# Altium PCB TempdevAmmy1009.PcbDoc (part 4 of 4) (continued)
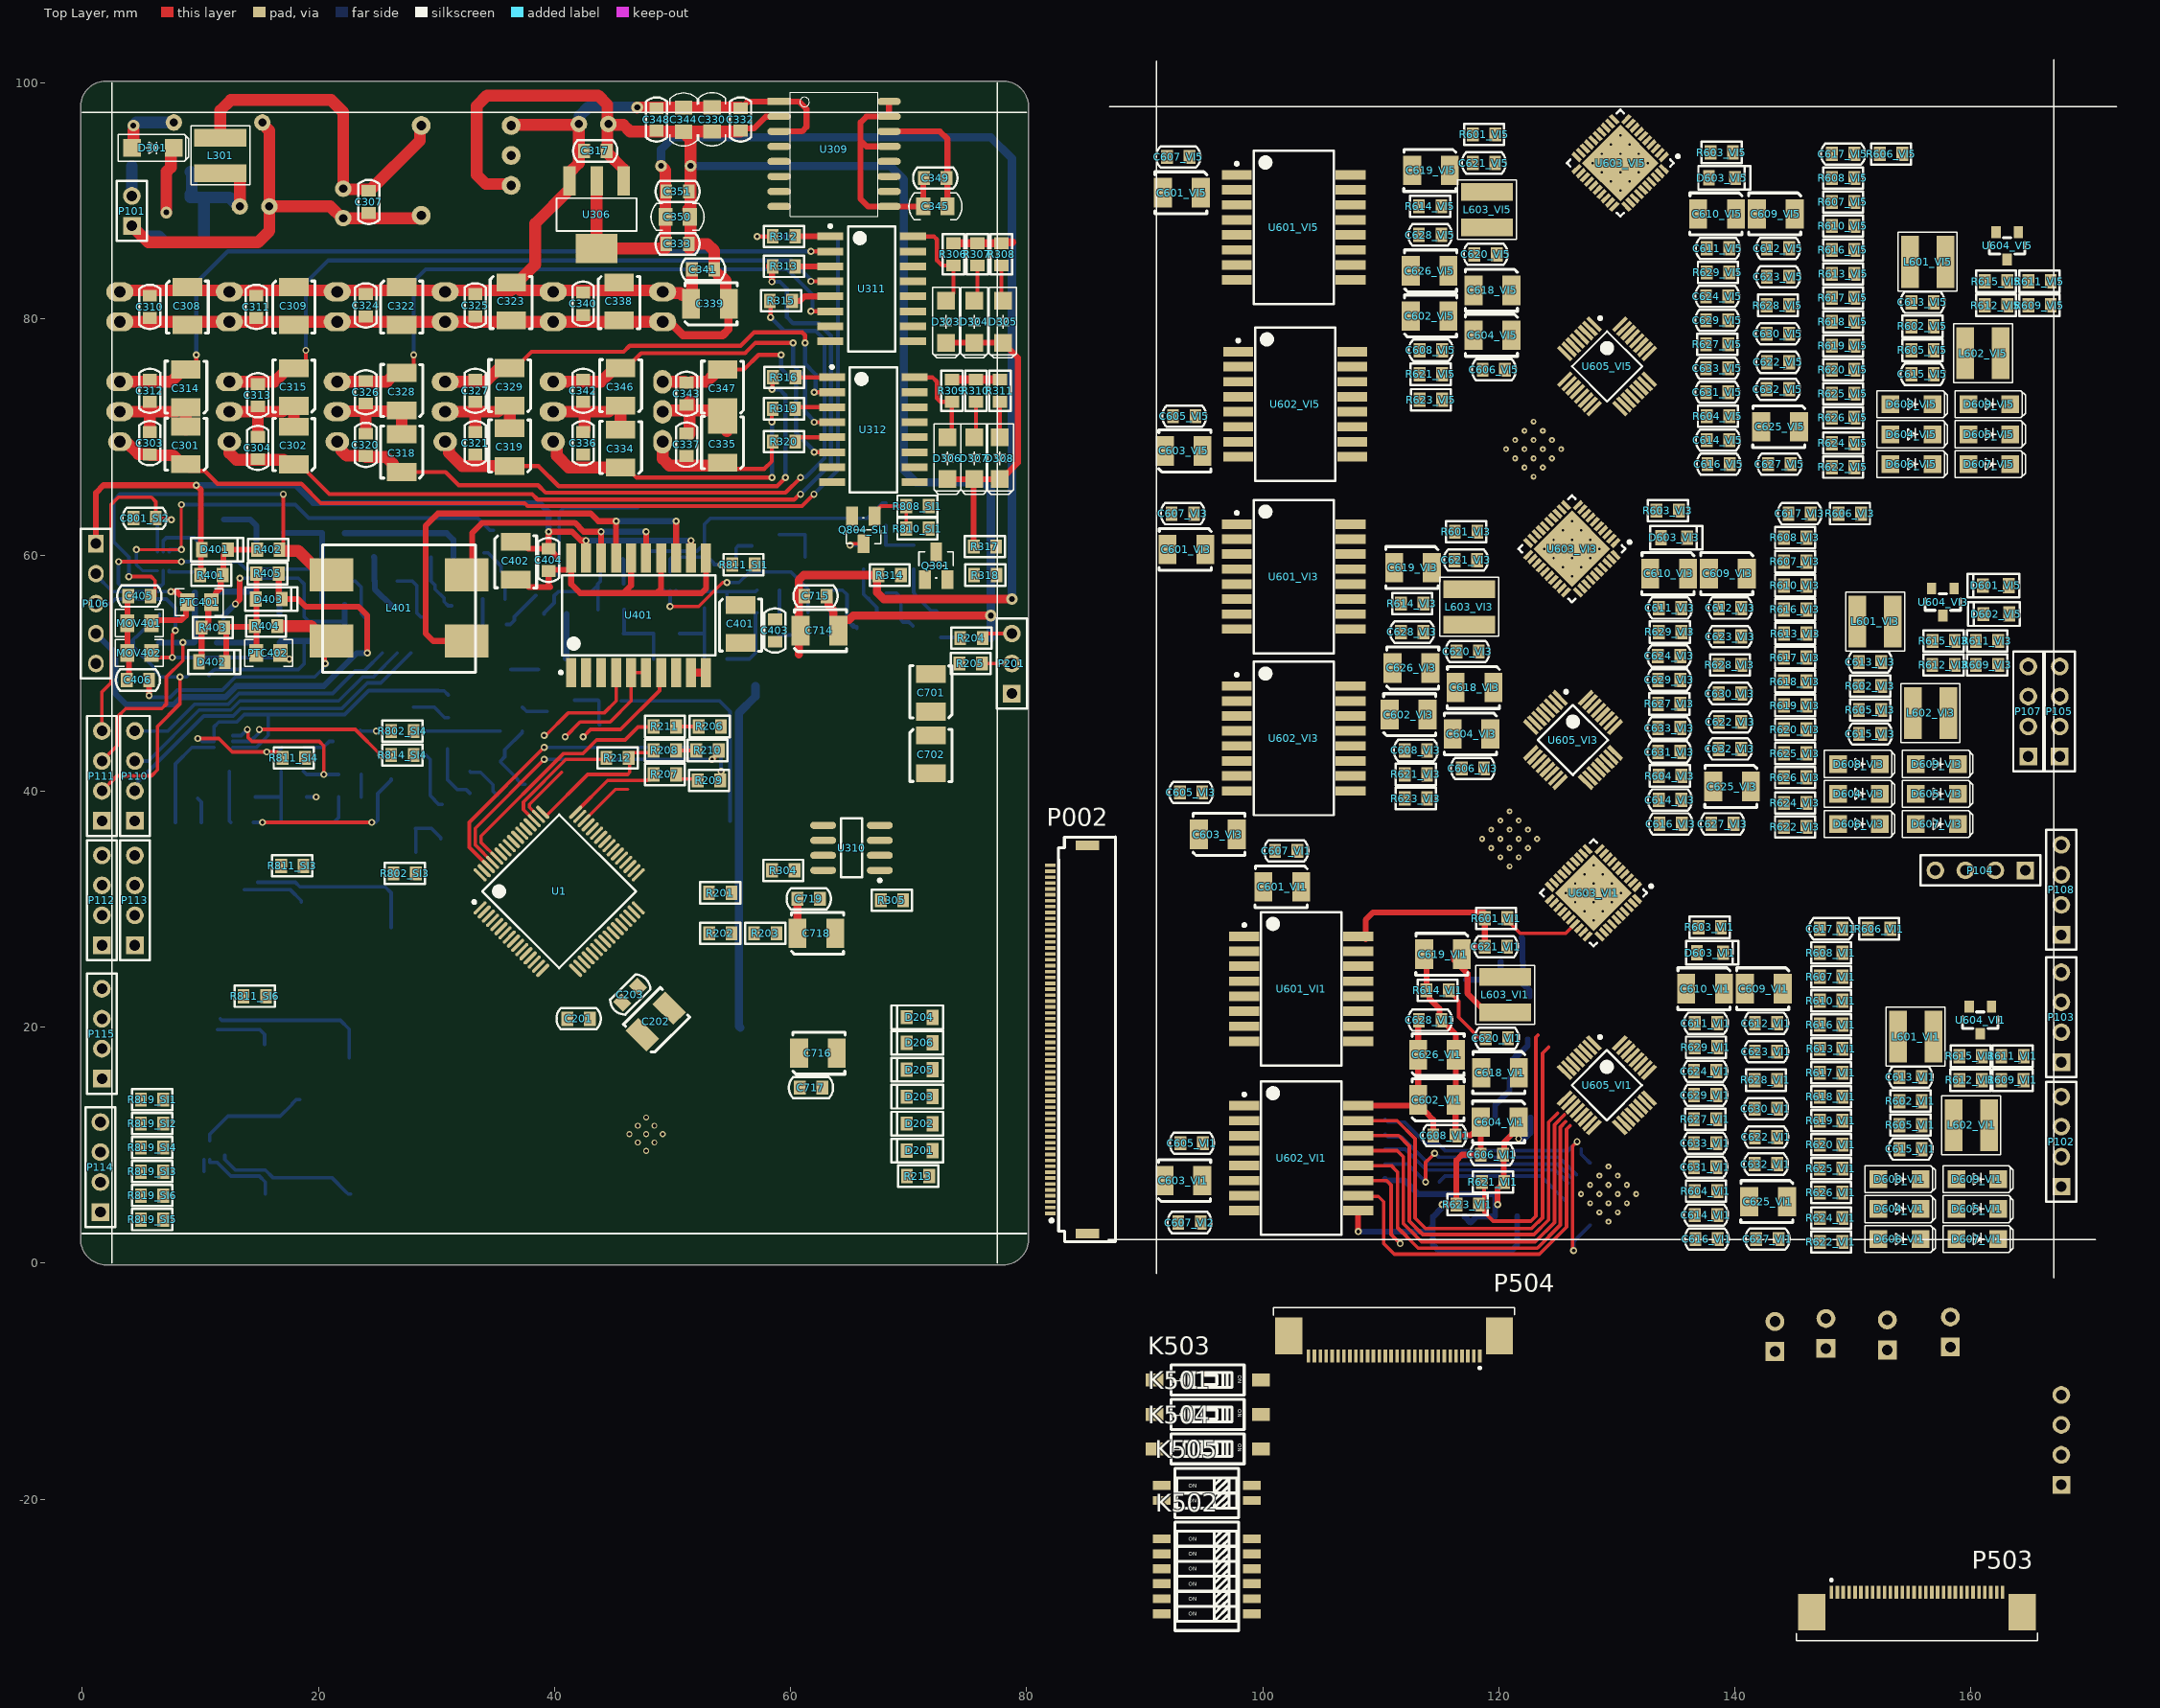
[diagram p0: Top Layer view]
## Nets (pads, with @x,y where several pads share a name; then routed paths per layer and width w, separated by ;. In a path a pad name is that pad's centre, name@x,y a point inside that pad or via, vN(x,y) a via of type N, cw(c..) or ccw(c..) an arc to the next point about the centre after c; other vN are vias at no path point) (continued)
NetQ805_SI3_2: Q805_SI3.2 Q806_SI3.3 Q806_SI3.6
NetQ805_SI4_1: Q805_SI4.1 R807_SI4.2 R809_SI4.1 | length 3.3
  Bottom Layer w0.3: R809_SI4.1@28.062,47.117 29.794,47.117 30.688,46.223 Q805_SI4.1@30.988,46.223
NetQ805_SI4_2: Q805_SI4.2 Q806_SI4.3 Q806_SI4.6 | length 27.2
  Bottom Layer w0.3: Q806_SI4.3@11.138,44.696 11.138,45.428 11.565,45.855 13.089,45.855 13.716,46.482 15.748,46.482 ; Q806_SI4.6@12.738,43.696 14.74,43.696 15.748,44.704 15.748,46.482 ; Q805_SI4.2@30.988,48.133 30.638,48.483 30.193,48.483 30.162,48.514 24.257,48.514 22.225,46.482 15.748,46.482
NetQ805_SI5_1: Q805_SI5.1 R807_SI5.2 R809_SI5.1
NetQ805_SI5_2: Q805_SI5.2 Q806_SI5.3 Q806_SI5.6 | length 9.4
  Bottom Layer w0.3: Q806_SI5.3@10.795,10.363 10.795,10.922 12.319,12.446 16.764,12.446 17.765,13.447 17.765,13.498 18.115,13.848 Q805_SI5.2@18.415,13.848
NetQ805_SI6_1: Q805_SI6.1 R807_SI6.2 R809_SI6.1
NetQ805_SI6_2: Q805_SI6.2 Q806_SI6.3 Q806_SI6.6
NetQ806_SI1_2: Q806_SI1.2 R811_SI1.2 R812_SI1.2 | length 6.6
  Top Layer w0.3: v2(54.102,59.182) R811_SI1.2@55.057,59.182 R811_SI1.2@55.062,59.187
  Bottom Layer w0.3: Q806_SI1.2@49.784,58.547 49.784,59.641 49.96,59.817 52.998,59.817 53.183,59.632 R812_SI1.2@53.461,59.354 ; R812_SI1.2@53.533,59.182 v2(54.102,59.182)
NetQ806_SI1_5: Q806_SI1.5 R813_SI1.2 R814_SI1.2 | length 16.8
  Top Layer w0.3: v2(49.784,55.626) 52.197,55.626 54.229,57.658 v2(54.61,57.658)
  Bottom Layer w0.3: v2(49.784,55.626) Q806_SI1.5@49.784,56.947 ; v2(54.61,57.658) 55.626,57.658 56.515,58.547 60.044,58.547 61.468,57.123 R813_SI1.2@61.468,57.023 R814_SI1.2@61.468,55.118
NetQ806_SI2_2: Q806_SI2.2 R811_SI2.2 R812_SI2.2 | length 6.4
  Bottom Layer w0.3: Q806_SI2.2@6.858,60.274 6.858,61.214 7.112,61.468 9.464,61.468 R811_SI2.2@9.906,61.026 ; R811_SI2.2@9.972,60.96 R811_SI2.2@9.906,61.026 ; R812_SI2.2@9.972,62.992 9.906,62.926 R811_SI2.2@9.906,61.026
NetQ806_SI2_5: Q806_SI2.5 R813_SI2.2 R814_SI2.2 | length 26.9
  Top Layer w0.3: v2(3.063,59.436) v2(8.382,59.436)
  Bottom Layer w0.3: v2(3.063,59.436) 3.048,59.421 3.048,57.58 3.224,57.404 6.682,57.404 6.858,57.58 Q806_SI2.5@6.858,58.674 ; v2(8.382,59.436) 13.208,59.436 13.843,58.801 19.304,58.801 19.87,58.235 19.97,58.235 20.32,57.885 R813_SI2.2@20.32,57.785
  Bottom Layer w0.5: R814_SI2.2@20.32,55.753 R813_SI2.2@20.32,57.785
NetQ806_SI3_2: Q806_SI3.2 R811_SI3.2 R812_SI3.2
NetQ806_SI3_5: Q806_SI3.5 R813_SI3.2 R814_SI3.2 | length 14.6
  Bottom Layer w0.3: 14.859,32.258 18.034,32.258 18.415,31.877 25.654,31.877 26.162,31.369 R813_SI3.2@26.162,30.48 R814_SI3.2@26.162,28.448
NetQ806_SI4_2: Q806_SI4.2 R811_SI4.2 R812_SI4.2 | length 10.5
  Top Layer w0.3: v2(9.779,44.45) 11.557,44.45 12.7,43.307 v2(15.621,43.307) 16.449,43.307 R811_SI4.2@16.957,42.799
  Bottom Layer w0.3: v2@9.906,44.45 10.16,44.196 Q806_SI4.2@11.138,44.196 ; v2@15.806,43.307 16.546,43.307 16.896,43.657 R812_SI4.2@16.896,43.688
NetQ806_SI4_5: Q806_SI4.5 R813_SI4.2 R814_SI4.2 | length 15.8
  Top Layer w0.3: v2(14.986,45.212) 23.114,45.212 v2(25.273,43.053) R814_SI4.2@26.162,43.053
  Bottom Layer w0.3: Q806_SI4.5@12.738,44.196 14.224,44.196 14.929,44.901 14.929,45.155 v2(14.986,45.212) ; v2(25.273,43.053) R813_SI4.2@26.162,43.053
NetQ806_SI5_2: Q806_SI5.2 R811_SI5.2 R812_SI5.2
NetQ806_SI5_5: Q806_SI5.5 R813_SI5.2 R814_SI5.2 | length 13.3
  Bottom Layer w0.3: 10.287,7.747 10.295,7.755 Q806_SI5.5@10.295,8.763 ; 12.065,9.144 12.065,8.763 12.954,7.874 15.494,7.874 16.129,7.239 21.121,7.239 22.322,6.038 22.518,5.842 R813_SI5.2@22.733,5.842
NetQ806_SI6_2: Q806_SI6.2 R811_SI6.2 R812_SI6.2
NetQ806_SI6_5: Q806_SI6.5 R813_SI6.2 R814_SI6.2 | length 13.7
  Bottom Layer w0.3: 11.684,20.701 11.811,20.574 21.844,20.574 22.606,19.812 R813_SI6.2@22.606,17.399
NetR201_1: R201.1 U1.32
NetR209_2: R209.2 U1.62 | length 31
  Top Layer w0.3: U1.62@34.393,33.6 32.774,35.219 32.774,37.346 v2(39.116,43.688) ; R209.2@54.036,40.894 54.102,40.96 v2(54.102,41.656)
  Bottom Layer w0.3: v2(39.116,43.688) 53.721,43.688 54.102,43.307 v2(54.102,41.656)
NetR210_2: R210.2 U1.61 | length 27
  Top Layer w0.3: U1.61@34.747,33.953 33.274,35.426 33.274,36.83 v2(39.116,42.672) ; v2(53.34,42.672) 53.406,42.672 53.559,42.825 53.559,43.084 R210.2@53.909,43.434
  Bottom Layer w0.3: v2(39.116,42.672) v2(53.34,42.672)
NetR211_2: R211.2 U1.60 | length 20.9
  Top Layer w0.3: U1.60@35.1,34.307 33.774,35.633 33.774,36.187 40.767,43.18 42.418,43.18 43.561,44.323 45.974,44.323 47.067,45.416 48.392,45.416 R211.2@48.392,45.466
NetR212_1: R212.1 U1.51 | length 10.5
  Top Layer w0.3: U1.51@38.282,37.489 37.364,38.407 37.364,39.07 40.966,42.672 44.262,42.672 R212.1@44.389,42.799
NetR305_1: R305.1 U310.1
NetR312_1: R312.1 U311.1 | length 2.6
  Top Layer w0.5: R312.1@60.722,86.995 U311.1@63.358,86.995
NetR313_1: R313.1 U311.3 | length 2.7
  Top Layer w0.5: R313.1@60.706,84.455 U311.3@63.358,84.455
NetR315_1: R315.1 U311.5 | length 3.6
  Top Layer w0.5: R315.1@60.071,81.534 R315.1@60.132,81.534 60.802,81.534 61.183,81.915 U311.5@63.485,81.915
NetR316_1: R316.1 U312.1 | length 3.1
  Top Layer w0.35: R316.1@60.468,75.057 U312.1@63.612,75.057
NetR319_1: R319.1 U312.3 | length 3.2
  Top Layer w0.35: R319.1@60.452,72.517 U312.3@63.612,72.517
NetR320_1: R320.1 U312.5 | length 3.2
  Top Layer w0.35: R320.1@60.452,69.977 U312.5@63.612,69.977
NetR604_VI1_2: R604_VI1.2 U603_VI1.9
NetR604_VI2_2: R604_VI2.2 U603_VI2.9
NetR604_VI3_2: R604_VI3.2 U603_VI3.9
NetR604_VI4_2: R604_VI4.2 U603_VI4.9
NetR604_VI5_2: R604_VI5.2 U603_VI5.9
NetR604_VI6_2: R604_VI6.2 U603_VI6.9
NetR612_VI1_2: R612_VI1.2 R615_VI1.1 U604_VI1.2
NetR612_VI2_2: R612_VI2.2 R615_VI2.1 U604_VI2.2
NetR612_VI3_2: R612_VI3.2 R615_VI3.1 U604_VI3.2
NetR612_VI4_2: R612_VI4.2 R615_VI4.1 U604_VI4.2
NetR612_VI5_2: R612_VI5.2 R615_VI5.1 U604_VI5.2
NetR612_VI6_2: R612_VI6.2 R615_VI6.1 U604_VI6.2
NetR621_VI1_2: R621_VI1.2 R623_VI1.1 U605_VI1.31 | length 22.8
  Top Layer w0.3: R621_VI1.2@118.745,6.858 118.745,4.318 119.51,3.553 122.7,3.553 123.132,3.985 123.132,19.119 123.317,19.304
NetR621_VI2_2: R621_VI2.2 R623_VI2.1 U605_VI2.31
NetR621_VI3_2: R621_VI3.2 R623_VI3.1 U605_VI3.31 | length 0.6
  Top Layer w0.3: R621_VI3.2@113.564,40.952 113.914,41.302 R621_VI3.2@113.914,41.402
NetR621_VI4_2: R621_VI4.2 R623_VI4.1 U605_VI4.31
NetR621_VI5_2: R621_VI5.2 R623_VI5.1 U605_VI5.31
NetR621_VI6_2: R621_VI6.2 R623_VI6.1 U605_VI6.31
NetR705_1: R705.1 U701.27
OLED12V: C507.1 C508.1 C514.1 C516.1 D514.2 P502.2 R529.1
PE: C405.1 C406.2 MOV401.2 MOV402.2 P106.5 | length 7.4
  Top Layer w0.5: C406.2@3.876,49.276 3.937,49.337 3.937,51.546 MOV402.2@3.794,51.689 3.81,51.705 3.81,54.213 MOV401.2@3.794,54.229 3.81,54.245 3.81,56.449 C405.1@3.876,56.515
PGND1_VI1: C613_VI1.2 R602_VI1.2 U603_VI1.40
PGND1_VI2: C613_VI2.2 R602_VI2.2 U603_VI2.40
PGND1_VI3: C613_VI3.2 R602_VI3.2 U603_VI3.40
PGND1_VI4: C613_VI4.2 R602_VI4.2 U603_VI4.40
PGND1_VI5: C613_VI5.2 R602_VI5.2 U603_VI5.40
PGND1_VI6: C613_VI6.2 R602_VI6.2 U603_VI6.40
PGND2_VI1: C615_VI1.2 R605_VI1.2 U603_VI1.31
PGND2_VI2: C615_VI2.2 R605_VI2.2 U603_VI2.31
PGND2_VI3: C615_VI3.2 R605_VI3.2 U603_VI3.31
PGND2_VI4: C615_VI4.2 R605_VI4.2 U603_VI4.31
PGND2_VI5: C615_VI5.2 R605_VI5.2 U603_VI5.31
PGND2_VI6: C615_VI6.2 R605_VI6.2 U603_VI6.31
PowerOK: R518.1 U1.26
PSW: R819_SI1.1 R819_SI2.1 R819_SI3.1 R819_SI4.1 R819_SI5.1 R819_SI6.1 U701.25
R\E\S\: P502.21 U1.12
R\E\S\E\T\_VI1: U602_VI1.15 U603_VI1.16 U605_VI1.6 U605_VI1.30 | length 38.4
  Top Layer w0.3: U602_VI1.15@108.076,12.065 111.379,12.065 112.903,10.541 112.903,3.81 113.792,2.921 122.775,2.921 123.698,3.844 123.698,17.78 124.206,18.288
R\E\S\E\T\_VI2: U602_VI2.15 U603_VI2.16 U605_VI2.6 U605_VI2.30
R\E\S\E\T\_VI3: U602_VI3.15 U603_VI3.16 U605_VI3.6 U605_VI3.30
R\E\S\E\T\_VI4: U602_VI4.15 U603_VI4.16 U605_VI4.6 U605_VI4.30
R\E\S\E\T\_VI5: U602_VI5.15 U603_VI5.16 U605_VI5.6 U605_VI5.30
R\E\S\E\T\_VI6: U602_VI6.15 U603_VI6.16 U605_VI6.6 U605_VI6.30
RA_VI1: R603_VI1.1 U603_VI1.7
RA_VI2: R603_VI2.1 U603_VI2.7
RA_VI3: R603_VI3.1 U603_VI3.7
RA_VI4: R603_VI4.1 U603_VI4.7
RA_VI5: R603_VI5.1 U603_VI5.7
RA_VI6: R603_VI6.1 U603_VI6.7
RB_VI1: R603_VI1.2 U603_VI1.8
RB_VI2: R603_VI2.2 U603_VI2.8
RB_VI3: R603_VI3.2 U603_VI3.8
RB_VI4: R603_VI4.2 U603_VI4.8
RB_VI5: R603_VI5.2 U603_VI5.8
RB_VI6: R603_VI6.2 U603_VI6.8
REFIN1_N: C712.2 C713.1 R708.1 U701.13
REFIN1_P: C711.1 C712.1 R706.1 U701.12
REFIN_VI1: C616_VI1.2 U603_VI1.10 U603_VI1.11
REFIN_VI2: C616_VI2.2 U603_VI2.10 U603_VI2.11
REFIN_VI3: C616_VI3.2 U603_VI3.10 U603_VI3.11
REFIN_VI4: C616_VI4.2 U603_VI4.10 U603_VI4.11
REFIN_VI5: C616_VI5.2 U603_VI5.10 U603_VI5.11
REFIN_VI6: C616_VI6.2 U603_VI6.10 U603_VI6.11
REFOUT: C710.2 R701.1 U701.22
RET1: P110.1 R819_SI1.2
RET2: P111.1 R819_SI2.2
RET3: P112.1 R819_SI3.2
RET4: P113.1 R819_SI4.2
RET5: P114.1 R819_SI5.2
RET6: P115.1 R819_SI6.2
RS485_N: MOV402.1 P106.3 PTC402.1 | length 24.5
  Top Layer w0.3: MOV402.1@5.842,51.689 6.35,51.181 6.477,51.308 v2(7.62,51.308) 7.62,53.259 7.874,53.513 v2(7.874,53.594) ; PTC402.1@16.78,51.689 16.78,51.631 17.23,51.181 v2(17.526,51.181)
  Bottom Layer w0.3: P106.3@1.143,55.88 2.413,55.88 2.794,56.261 7.112,56.261 7.874,55.499 v2(7.874,53.594) ; v2(7.62,51.308) 17.399,51.308 v2(17.526,51.181)
RS485_P: MOV401.1 P106.2 PTC401.1 | length 13
  Top Layer w0.5: MOV401.1@6.223,54.229 6.477,54.483 8.382,54.483 8.763,54.864 PTC401.1@8.763,56.134 ; v2(7.493,56.896) 8.001,56.896 8.39,56.507 8.54,56.507 8.89,56.157 PTC401.1@8.89,56.007
  Bottom Layer w0.3: P106.2@1.143,58.42 1.143,58.293 2.54,56.896 v2(7.493,56.896)
RS485_Rxd: U1.9 U401.7 | length 9.7
  Top Layer w0.3: v2(42.418,44.577) 43.053,45.212 45.593,45.212 48.895,48.514 48.895,49.911 U401.7@49.022,50.038
RS485_Txd: R520.1 U1.10 U401.4 | length 9.7
  Top Layer w0.3: v2(39.116,44.704) 39.243,44.704 41.148,46.609 44.196,46.609 45.212,47.625 U401.4@45.212,50.038
Rxd/D-: P201.2 R205.1 U1.27 | length 2.5
  Top Layer w0.3: R205.1@76.2,50.8 P201.2@78.74,50.8
S\Y\N\C\_VI1: U601_VI1.15 U603_VI1.24
S\Y\N\C\_VI2: U601_VI2.15 U603_VI2.24 | length 19.6
  Top Layer w0.3: v2(113.792,6.858) 113.792,8.528 v2(114.554,9.29)
  Bottom Layer w0.3: U601_VI2.15@110.362,8.382 112.268,8.382 v2(113.792,6.858) ; v2(114.554,9.29) 114.576,9.29 114.88,8.987 125.065,8.987 U603_VI2.24@126.558,7.493
S\Y\N\C\_VI3: U601_VI3.15 U603_VI3.24
S\Y\N\C\_VI4: U601_VI4.15 U603_VI4.24
S\Y\N\C\_VI5: U601_VI5.15 U603_VI5.24
S\Y\N\C\_VI6: U601_VI6.15 U603_VI6.24
SCLK: P502.14 U1.13
SCLK_VI1: U601_VI1.14 U603_VI1.22
SCLK_VI2: U601_VI2.14 U603_VI2.22 | length 16.7
  Bottom Layer w0.3: U601_VI2.14@110.362,9.652 112.069,9.652 113.847,7.874 124.763,7.874 125.395,7.242 U603_VI2.22@125.851,6.786
SCLK_VI3: U601_VI3.14 U603_VI3.22
SCLK_VI4: U601_VI4.14 U603_VI4.22
SCLK_VI5: U601_VI5.14 U603_VI5.22
SCLK_VI6: U601_VI6.14 U603_VI6.22
SDI_VI1: U601_VI1.13 U603_VI1.23
SDI_VI2: U601_VI2.13 U603_VI2.23 | length 17.4
  Bottom Layer w0.3: U601_VI2.13@110.362,10.922 110.612,10.672 111.756,10.672 114.046,8.382 124.962,8.382 U603_VI2.23@126.204,7.139
SDI_VI3: U601_VI3.13 U603_VI3.23
SDI_VI4: U601_VI4.13 U603_VI4.23
SDI_VI5: U601_VI5.13 U603_VI5.23
SDI_VI6: U601_VI6.13 U603_VI6.23
SDO_VI1: U601_VI1.12 U603_VI1.14
SDO_VI2: U601_VI2.12 U603_VI2.14 | length 29.5
  Top Layer w0.3: v2@126.238,1.143 126.238,9.906 v2@126.492,10.16
  Bottom Layer w0.3: U601_VI2.12@110.362,12.192 110.612,11.942 112.01,11.942 113.792,10.16 114.808,10.16 115.443,9.525 125.857,9.525 v2(126.619,10.287) ; v2(126.332,1.065) 126.332,1.827 U603_VI2.14@127.713,3.208
SDO_VI3: U601_VI3.12 U603_VI3.14
SDO_VI4: U601_VI4.12 U603_VI4.14
SDO_VI5: U601_VI5.12 U603_VI5.14
SDO_VI6: U601_VI6.12 U603_VI6.14
SGND: C345.2 C349.1 C701.2 C703.2 C708.1 L702.1 R705.2 U309.9 U309.13 U309.15 U309.16 U701.3 U702.9 U703.9 U704.9 U704.15 | length 21
  Top Layer w0.5: U309.13@68.326,94.615 66.421,94.615 65.913,95.123 ; U309.16@68.326,98.425 U309.15@68.326,97.155 66.421,97.155 65.913,96.647 65.913,95.123 ; C349.1@71.231,91.948 C345.2@71.231,89.535 U309.9@68.326,89.535 66.548,89.535 65.913,90.17 65.913,95.123
SS: P502.19 U1.18
SS2: U1.47
SW+_VI1: L601_VI1.1 U603_VI1.1
SW+_VI2: L601_VI2.1 U603_VI2.1
SW+_VI3: L601_VI3.1 U603_VI3.1
SW+_VI4: L601_VI4.1 U603_VI4.1
SW+_VI5: L601_VI5.1 U603_VI5.1
SW+_VI6: L601_VI6.1 U603_VI6.1
SW-_VI1: L602_VI1.1 U603_VI1.30
SW-_VI2: L602_VI2.1 U603_VI2.30
SW-_VI3: L602_VI3.1 U603_VI3.30
SW-_VI4: L602_VI4.1 U603_VI4.30
SW-_VI5: L602_VI5.1 U603_VI5.30
SW-_VI6: L602_VI6.1 U603_VI6.30
Txd/D+: P201.3 R204.1 U1.28 | length 2.5
  Top Layer w0.3: R204.1@76.2,53.34 P201.3@78.74,53.34
U\A\R\T\_\R\T\S\/SCLK_VI1: U602_VI1.13 U605_VI1.11 | length 33.3
  Top Layer w0.3: U602_VI1.13@108.076,9.525 111.379,9.525 111.903,9.001 111.903,3.341 113.466,1.778 123.046,1.778 124.706,3.438 124.706,11.726 125.553,12.573
U\A\R\T\_\R\T\S\/SCLK_VI2: U602_VI2.13 U605_VI2.11
U\A\R\T\_\R\T\S\/SCLK_VI3: U602_VI3.13 U605_VI3.11
U\A\R\T\_\R\T\S\/SCLK_VI4: U602_VI4.13 U605_VI4.11
U\A\R\T\_\R\T\S\/SCLK_VI5: U602_VI5.13 U605_VI5.11
U\A\R\T\_\R\T\S\/SCLK_VI6: U602_VI6.13 U605_VI6.11
UART_IN/C\S\_VI1: U602_VI1.14 U605_VI1.10 | length 33.2
  Top Layer w0.3: U602_VI1.14@108.076,10.795 111.506,10.795 112.403,9.898 112.403,3.548 113.538,2.413 122.974,2.413 124.206,3.645 124.206,11.938 124.968,12.7
UART_IN/C\S\_VI2: U602_VI2.14 U605_VI2.10
UART_IN/C\S\_VI3: U602_VI3.14 U605_VI3.10
UART_IN/C\S\_VI4: U602_VI4.14 U605_VI4.10
UART_IN/C\S\_VI5: U602_VI5.14 U605_VI5.10
UART_IN/C\S\_VI6: U602_VI6.14 U605_VI6.10
UART_OUT/SDO_VI1: U602_VI1.10 U605_VI1.13 | length 31.5
  Top Layer w0.3: U602_VI1.10@108.076,5.715 108.144,5.647 109.796,5.647 110.236,5.207 110.236,1.651 111.128,0.759 123.441,0.759 125.73,3.048 125.73,11.336 126.031,11.637
UART_OUT/SDO_VI2: U602_VI2.10 U605_VI2.13
UART_OUT/SDO_VI3: U602_VI3.10 U605_VI3.13
UART_OUT/SDO_VI4: U602_VI4.10 U605_VI4.13
UART_OUT/SDO_VI5: U602_VI5.10 U605_VI5.13
UART_OUT/SDO_VI6: U602_VI6.10 U605_VI6.13
USB5V: P501.1 R501.1
USB+: D501.1 D503.2 P501.2 R503.2
USB-: D503.1 D506.2 P501.3 R504.2
USBGND: P501.4 R506.1
USBISPE\N\: K505.4 R202.1
V+: C306.1 C307.1 L301.2 U303.4 | length 29.6
  Top Layer w1: L301.2@11.684,95.353 11.684,97.663 12.573,98.552 21.082,98.552 22.098,97.536 C306.1@22.098,91.039 22.152,90.986 24.203,90.986 24.257,90.932 24.407,90.932 28.587,95.112 28.587,96.278 U303.4@28.702,96.393
VDPC+_VI1: C613_VI1.1 L601_VI1.2 U603_VI1.39
VDPC+_VI2: C613_VI2.1 L601_VI2.2 U603_VI2.39
VDPC+_VI3: C613_VI3.1 L601_VI3.2 U603_VI3.39
VDPC+_VI4: C613_VI4.1 L601_VI4.2 U603_VI4.39
VDPC+_VI5: C613_VI5.1 L601_VI5.2 U603_VI5.39
VDPC+_VI6: C613_VI6.1 L601_VI6.2 U603_VI6.39
VDPC-_VI1: C615_VI1.1 L602_VI1.2 U603_VI1.32
VDPC-_VI2: C615_VI2.1 L602_VI2.2 U603_VI2.32
VDPC-_VI3: C615_VI3.1 L602_VI3.2 U603_VI3.32
VDPC-_VI4: C615_VI4.1 L602_VI4.2 U603_VI4.32
VDPC-_VI5: C615_VI5.1 L602_VI5.2 U603_VI5.32
VDPC-_VI6: C615_VI6.1 L602_VI6.2 U603_VI6.32
VI_VI1: C617_VI1.1 D608_VI1.2 D609_VI1.1 R606_VI1.2 U603_VI1.37
VI_VI2: C617_VI2.1 D608_VI2.2 D609_VI2.1 R606_VI2.2 U603_VI2.37
VI_VI3: C617_VI3.1 D608_VI3.2 D609_VI3.1 R606_VI3.2 U603_VI3.37
VI_VI4: C617_VI4.1 D608_VI4.2 D609_VI4.1 R606_VI4.2 U603_VI4.37
VI_VI5: C617_VI5.1 D608_VI5.2 D609_VI5.1 R606_VI5.2 U603_VI5.37
VI_VI6: C617_VI6.1 D608_VI6.2 D609_VI6.1 R606_VI6.2 U603_VI6.37
VIN+: F301.1 P101.2 | length 2.5
  Bottom Layer w1: P101.2@4.191,90.424 F301.1@4.191,92.964
VIN-: C305.2 C306.2 C307.2 D302.1 P101.1 R303.1 U303.1 | length 38.4
  Top Layer w1: P101.1@4.191,87.884 5.588,86.487 14.859,86.487 15.835,87.463 C305.2@15.835,89.535 ; R303.1@15.247,96.647 15.247,96.539 15.835,95.951 C305.2@15.835,89.535 ; U303.1@28.702,88.773 28.54,88.773 28.306,88.539 C306.2@22.098,88.539 21.99,88.539 20.994,89.535 C305.2@15.835,89.535
  Bottom Layer w1: P101.1@4.191,87.884 5.084,86.991 6.481,86.991 D302.1@6.731,86.741
VIOUT_VI1: C622_VI1.1 D601_VI1.2 P102.2 R606_VI1.1 R607_VI1.1 R627_VI1.2
VIOUT_VI2: C622_VI2.1 D601_VI2.2 P103.2 R606_VI2.1 R607_VI2.1 R627_VI2.2
VIOUT_VI3: C622_VI3.1 D601_VI3.2 P104.2 R606_VI3.1 R607_VI3.1 R627_VI3.2
VIOUT_VI4: C622_VI4.1 D601_VI4.2 P105.2 R606_VI4.1 R607_VI4.1 R627_VI4.2
VIOUT_VI5: C622_VI5.1 D601_VI5.2 P107.2 R606_VI5.1 R607_VI5.1 R627_VI5.2
VIOUT_VI6: C622_VI6.1 D601_VI6.2 P108.2 R606_VI6.1 R607_VI6.1 R627_VI6.2
VISOGND: C402.2 C404.2 D403.1 P106.4 R405.1 U401.11 U401.14 U401.16 U401.20 | length 72.4
  Top Layer w0.5: R405.1@16.632,58.42 16.635,58.418 16.635,56.263 16.637,56.261 18.288,56.261 18.923,55.626 23.368,55.626 24.13,54.864 v2(24.13,51.689) ; C402.2@36.703,57.912 37.191,57.912 37.826,57.277 39.624,57.277 39.497,57.404 C404.2@39.497,58.629 39.606,58.738 41.227,58.738 U401.20@41.402,58.913 ; U401.20@41.402,59.738 U401.20@41.402,58.913 ; U401.16@46.482,59.738 46.482,57.404 45.847,56.769 ; U401.14@49.022,59.738 49.022,57.15 48.641,56.769 ; U401.11@52.832,59.738 52.832,57.15 52.451,56.769 48.641,56.769 ; U401.20@41.402,58.913 41.402,57.531 42.164,56.769 45.847,56.769 ; 45.847,56.769 48.641,56.769
  Bottom Layer w0.5: P106.4@1.143,53.34 2.794,51.689 2.794,48.248 3.72,47.322 7.741,47.322 8.374,47.955 12.109,47.955 13.049,48.895 20.447,48.895 23.241,51.689 v2(24.13,51.689)
VISOOUT: C402.1 C404.1 D401.2 P106.1 R401.1 U401.12 U401.19 | length 76.9
  Top Layer w0.5: P106.1@1.143,60.96 1.143,65.278 1.778,65.913 v2(9.652,65.913) 9.652,65.886 10.038,65.5 D401.2@10.038,60.371 ; D401.2@9.865,60.452 D401.2@9.906,60.411 ; R401.1@9.883,58.255 R401.1@10.209,57.929 ; D401.2@10.119,60.452 D401.2@10.038,60.371 ; C402.1@36.703,61.112 37.191,61.112 37.774,60.529 C404.1@39.497,60.529 ; 40.243,59.817 39.847,60.213 39.847,60.279 39.597,60.529 C404.1@39.497,60.529 ; U401.19@42.672,59.738 v2(42.672,61.214) 42.653,61.233 42.218,61.233 41.475,61.976 v2(39.497,61.976) C404.1@39.497,60.529 ; U401.12@51.562,59.738 v2(51.562,61.214) ; D401.2@10.038,60.371 10.033,60.366 10.033,58.298 10.038,58.293 D401.2@10.038,60.371
  Bottom Layer w0.5: v2(9.652,65.913) 18.034,65.913 19.558,64.389 38.735,64.389 39.497,63.627 v2(39.497,61.976) ; v2(42.672,61.214) v2(51.562,61.214)
±15VsON: Q301.1 R314.2 U1.24
pads on no net: Designator6.1 Designator6.2 Designator6.3 Designator6.4 Designator6.5 Designator6.6 Designator6.7 Designator6.8 Designator6.9 Designator6.10 Designator6.11 Designator6.12 Designator6.13 Designator6.14 Designator6.15 Designator6.16 Designator6.17 Designator6.18 Designator6.19 Designator6.20 Designator6.21 Designator6.22 Designator6.23 Designator6.24 Designator6.25 Designator6.26 Designator6.27 Designator6.28 Designator6.29 Designator6.30 Designator6.S1 Designator6.S2 Designator7.1 Designator7.2 Designator7.3 Designator7.4 Designator7.5 Designator7.6 Designator7.7 Designator7.8 Designator7.9 Designator7.10 Designator7.11 Designator7.12 Designator7.13 Designator7.14 Designator7.15 Designator7.16 Designator7.17 Designator7.18 Designator7.19 Designator7.20 Designator7.21 Designator7.22 Designator7.23 Designator7.24 Designator7.25 Designator7.26 Designator7.27 Designator7.28 Designator7.29 Designator7.30 Designator7.S1 Designator7.S2 Designator8.1 Designator8.2 Designator8.3 Designator8.4 Designator8.5 Designator8.6 Designator8.7 Designator8.8 Designator8.9 Designator8.10 Designator8.11 Designator8.12 Designator8.13 Designator8.14 Designator8.15 Designator8.16 Designator8.17 Designator8.18 Designator8.19 Designator8.20 Designator8.21 Designator8.22 Designator8.23 Designator8.24 Designator8.25 Designator8.26 Designator8.27 Designator8.28 Designator8.29 Designator8.30 Designator8.S1 Designator8.S2 Designator9.1 Designator9.2 Designator9.3 Designator9.4 Designator9.5 Designator9.6 Designator9.7 Designator9.8 Designator9.9 Designator9.10 Designator9.11 Designator9.12 Designator9.13 Designator9.14 Designator9.15 Designator9.16 Designator9.17 Designator9.18 Designator9.19 Designator9.20 Designator9.21 Designator9.22 Designator9.23 Designator9.24 Designator9.25 Designator9.26 Designator9.27 Designator9.28 Designator9.29 Designator9.30 Designator9.S1 Designator9.S2 P002.1 P002.2 P002.3 P002.4 P002.5 P002.6 P002.7 P002.8 P002.9 P002.10 P002.11 P002.12 P002.13 P002.14 P002.15 P002.16 P002.17 P002.18 P002.19 P002.20 P002.21 P002.22 P002.23 P002.24 P002.25 P002.26 P002.27 P002.28 P002.29 P002.30 P002.31 P002.32 P002.33 P002.34 P002.35 P002.36 P002.37 P002.38 P002.39 P002.40 P002.41 P002.42 P002.43 P002.44 P002.45 P002.46 P002.47 P002.50 P002.51 P002.52 P002.53 P002.54 P002.55 P002.56 P002.57 P002.58 P002.59 P002.60 P002.61 P002.62 P502.6 P502.12 P502.23 P502.24 P502.25 P502.29 P502.S1 P502.S2 P503.1 P503.2 P503.3 P503.4 P503.5 P503.6 P503.7 P503.8 P503.9 P503.10 P503.11 P503.12 P503.13 P503.14 P503.15 P503.16 P503.17 P503.18 P503.19 P503.20 P503.21 P503.22 P503.23 P503.24 P503.25 P503.26 P503.27 P503.28 P503.29 P503.30 P503.S1 P503.S2 P504.1 P504.2 P504.3 P504.4 P504.5 P504.6 P504.7 P504.8 P504.9 P504.10 P504.11 P504.12 P504.13 P504.14 P504.15 P504.16 P504.17 P504.18 P504.19 P504.20 P504.21 P504.22 P504.23 P504.24 P504.25 P504.26 P504.27 P504.28 P504.29 P504.30 P504.S1 P504.S2 U303.6 U309. U309.4 U309.5 U309.6 U309.7 U309.8 U309.10 U309.11 U309.12 U310.3 U310.4 U310.6 U311.7 U311.8 U311.9 U311.10 U312.7 U312.8 U312.9 U312.10 U603_VI1.28 U603_VI1.33 U603_VI1.41 U603_VI2.28 U603_VI2.33 U603_VI2.41 U603_VI3.28 U603_VI3.33 U603_VI3.41 U603_VI4.28 U603_VI4.33 U603_VI4.41 U603_VI5.28 U603_VI5.33 U603_VI5.41 U603_VI6.28 U603_VI6.33 U603_VI6.41 U605_VI1.1 U605_VI1.3 U605_VI1.8 U605_VI1.16 U605_VI1.17 U605_VI1.24 U605_VI1.25 U605_VI1.27 U605_VI1.28 U605_VI1.32 U605_VI2.1 U605_VI2.3 U605_VI2.8 U605_VI2.16 U605_VI2.17 U605_VI2.24 U605_VI2.25 U605_VI2.27 U605_VI2.28 U605_VI2.32 U605_VI3.1 U605_VI3.3 U605_VI3.8 U605_VI3.16 U605_VI3.17 U605_VI3.24 U605_VI3.25 U605_VI3.27 U605_VI3.28 U605_VI3.32 U605_VI4.1 U605_VI4.3 U605_VI4.8 U605_VI4.16 U605_VI4.17 U605_VI4.24 U605_VI4.25 U605_VI4.27 U605_VI4.28 U605_VI4.32 U605_VI5.1 U605_VI5.3 U605_VI5.8 U605_VI5.16 U605_VI5.17 U605_VI5.24 U605_VI5.25 U605_VI5.27 U605_VI5.28 U605_VI5.32 U605_VI6.1 U605_VI6.3 U605_VI6.8 U605_VI6.16 U605_VI6.17 U605_VI6.24 U605_VI6.25 U605_VI6.27 U605_VI6.28 U605_VI6.32 U701.31 U701.33 U704.7 U704.10
copper on no net:
  other v1: 129.286,3.509 128.508,4.286 130.064,4.286 127.73,5.064 129.286,5.064 130.842,5.064 126.953,5.842 128.508,5.842 130.064,5.842 131.619,5.842 127.73,6.62 129.286,6.62 130.842,6.62 128.508,7.398 130.064,7.398 129.286,8.175 128.016,29.036 127.238,29.813 128.794,29.813 126.46,30.591 128.016,30.591 129.572,30.591 125.683,31.369 127.238,31.369 128.794,31.369 130.349,31.369 126.46,32.147 128.016,32.147 129.572,32.147 127.238,32.925 128.794,32.925 120.904,33.608 128.016,33.702 120.126,34.385 121.682,34.385 119.348,35.163 120.904,35.163 122.46,35.163 118.571,35.941 120.126,35.941 121.682,35.941 123.237,35.941 119.348,36.719 120.904,36.719 122.46,36.719 120.126,37.497 121.682,37.497 120.904,38.274 126.188,58.185 125.41,58.963 126.966,58.963 124.632,59.741 126.188,59.741 127.743,59.741 123.854,60.519 125.41,60.519 126.966,60.519 128.521,60.519 124.632,61.296 126.188,61.296 127.743,61.296 125.41,62.074 126.966,62.074 126.188,62.852 122.936,66.628 122.158,67.405 123.714,67.405 121.38,68.183 122.936,68.183 124.492,68.183 120.603,68.961 122.158,68.961 123.714,68.961 125.269,68.961 121.38,69.739 122.936,69.739 124.492,69.739 122.158,70.517 123.714,70.517 122.936,71.294 130.28,90.879 129.502,91.657 131.058,91.657 128.724,92.435 130.28,92.435 131.836,92.435 127.947,93.212 129.502,93.212 131.058,93.212 132.614,93.212 128.724,93.99 130.28,93.99 131.836,93.99 129.502,94.768 131.058,94.768 130.28,95.546
  other v3: 47.752,9.508 47.045,10.215 48.459,10.215 46.338,10.922 47.752,10.922 49.166,10.922 47.045,11.629 48.459,11.629 47.752,12.336

## Silkscreen, mask and mechanical layers (free items; w line width, h text height)
Top Overlay:
  lines w0.127: 0,2.5 80,2.5 ; 0,97.5 80,97.5 ; 2.5,0 2.5,100 ; 77.5,0 77.5,100 ; 86.908,2 170.545,2 ; 86.995,98 172.339,98 ; 91,-0.889 91,101.854 ; 167,-1.27 167,101.981
Mechanical 1:
  lines w0.3: 0,2 ccw(c2,2) 2,0 ; 0,2.032 0,98.044 ; 0,98 cw(c2,98) 2,100 ; 1.956,100 78.054,100 ; 2.032,0 77.978,0 ; 78,0 ccw(c78,2) 80,2 ; 78,100 cw(c78,98) 80,98 ; 80.01,2.032 80.01,98.044 ; 89,-31 ccw(c91,-31) 91,-33 ; 89,-30.834 89,-4.853 ; 89,-5 cw(c91,-5) 91,-3 ; 89,2 ccw(c91,2) 91,0 ; 89,2.059 89,98.298 ; 89,98 cw(c91,98) 91,100 ; 90.805,100 166.954,100 ; 90.853,-3 166.957,-3 ; 91.059,0 167.005,0 ; 91.166,-33 166.898,-33 ; 167,-33 ccw(c167,-31) 169,-31 ; 167,-3 cw(c167,-5) 169,-5 ; 167,0 ccw(c167,2) 169,2 ; 167,100 cw(c167,98) 169,98 ; 169,-30.898 169,-5.043 ; 169,1.995 169,97.954

## Text inside footprints (layer, text, board x,y; h text height)
D508: Bottom Overlay "+" at 157.632,-5.842 h0.8 r90
D509: Bottom Overlay "+" at 152.298,-6.096 h0.8 r90
D510: Bottom Overlay "+" at 147.091,-5.969 h0.8 r90
D511: Bottom Overlay "+" at 142.773,-6.223 h0.8 r90
K501: Top Overlay "1" at 92.412,-12.637 h0.65 r270; Top Overlay "ON" at 97.892,-12.403 h0.32 r270
K502: Top Overlay "ON" at 93.712,-26.091 h0.33; Top Overlay "ON" at 93.712,-24.821 h0.33; Top Overlay "ON" at 93.712,-23.551 h0.33; Top Overlay "ON" at 93.712,-27.361 h0.33; Top Overlay "ON" at 93.712,-28.631 h0.33; Top Overlay "ON" at 93.712,-29.901 h0.33
K503: Top Overlay "1" at 92.412,-9.716 h0.65 r270; Top Overlay "ON" at 97.892,-9.482 h0.32 r270
K504: Top Overlay "1" at 92.412,-15.558 h0.65 r270; Top Overlay "ON" at 97.892,-15.324 h0.32 r270
K505: Top Overlay "ON" at 93.712,-19.038 h0.33; Top Overlay "ON" at 93.712,-20.308 h0.33
U301: Bottom Overlay "0V" at 5.552,72.566 h0.76 r90; Bottom Overlay "-Vo" at 5.552,75.43 h0.76 r90; Bottom Overlay "Vin" at 5.588,83 h0.76 r90; Bottom Overlay "GND" at 5.552,80.399 h0.76 r90; Bottom Overlay "+Vo" at 5.552,70.35 h0.76 r90; Bottom Overlay "A_S-1WR3" at 7.244,79.17 h0.76 r90
U302: Bottom Overlay "A_S-1WR3" at 16.515,79.17 h0.76 r90; Bottom Overlay "+Vo" at 14.823,70.35 h0.76 r90; Bottom Overlay "GND" at 14.823,80.399 h0.76 r90; Bottom Overlay "Vin" at 14.859,83 h0.76 r90; Bottom Overlay "-Vo" at 14.823,75.43 h0.76 r90; Bottom Overlay "0V" at 14.823,72.566 h0.76 r90
U303: Bottom Overlay "+Vo" at 37.628,96.834 h1.2 r180; Bottom Overlay "NC" at 37.628,94.295 h1.2 r180; Bottom Overlay "0V" at 37.626,91.756 h1.2 r180; Bottom Overlay "Vin" at 25.716,96.858 h1.2 r180; Bottom Overlay "GND" at 25.645,89.146 h1.2 r180; Bottom Overlay "WRB_SD-3WR2" at 28.652,99.134 h1.5 r180
U304: Bottom Overlay "0V" at 23.967,72.566 h0.76 r90; Bottom Overlay "-Vo" at 23.967,75.43 h0.76 r90; Bottom Overlay "Vin" at 24.003,83 h0.76 r90; Bottom Overlay "GND" at 23.967,80.399 h0.76 r90; Bottom Overlay "+Vo" at 23.967,70.35 h0.76 r90; Bottom Overlay "A_S-1WR3" at 25.659,79.17 h0.76 r90
U305: Bottom Overlay "0V" at 33.111,72.566 h0.76 r90; Bottom Overlay "-Vo" at 33.111,75.43 h0.76 r90; Bottom Overlay "Vin" at 33.147,83 h0.76 r90; Bottom Overlay "GND" at 33.111,80.399 h0.76 r90; Bottom Overlay "+Vo" at 33.111,70.35 h0.76 r90; Bottom Overlay "A_S-1WR3" at 34.803,79.17 h0.76 r90
U307: Bottom Overlay "0V" at 42.255,72.566 h0.76 r90; Bottom Overlay "-Vo" at 42.255,75.43 h0.76 r90; Bottom Overlay "Vin" at 42.291,83 h0.76 r90; Bottom Overlay "GND" at 42.255,80.399 h0.76 r90; Bottom Overlay "+Vo" at 42.255,70.35 h0.76 r90; Bottom Overlay "A_S-1WR3" at 43.947,79.17 h0.76 r90
U308: Bottom Overlay "A_S-1WR3" at 53.218,79.17 h0.76 r90; Bottom Overlay "+Vo" at 51.526,70.35 h0.76 r90; Bottom Overlay "GND" at 51.526,80.399 h0.76 r90; Bottom Overlay "Vin" at 51.562,83 h0.76 r90; Bottom Overlay "-Vo" at 51.526,75.43 h0.76 r90; Bottom Overlay "0V" at 51.526,72.566 h0.76 r90